# Altium PCB 09光敏.PcbDoc
Units mil, origin at the board's own origin, x right, y up, seen from the top; angles counter-clockwise.
Board outline 1525.44 x 549.18 mil, 2 copper layers (Top Layer, Bottom Layer); 9 components, 11 nets, 33 pads, 17 vias.
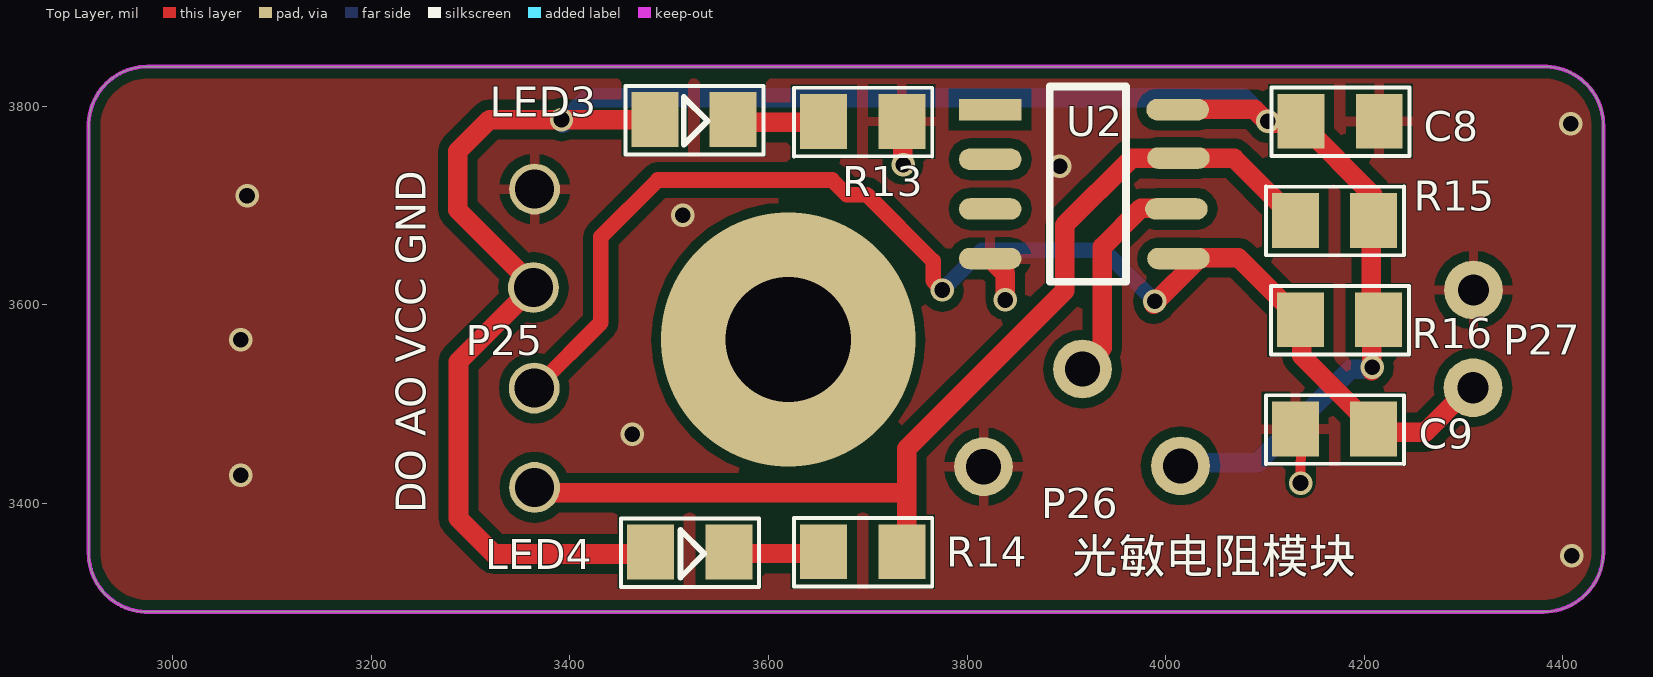
[diagram p0: Top Layer view]
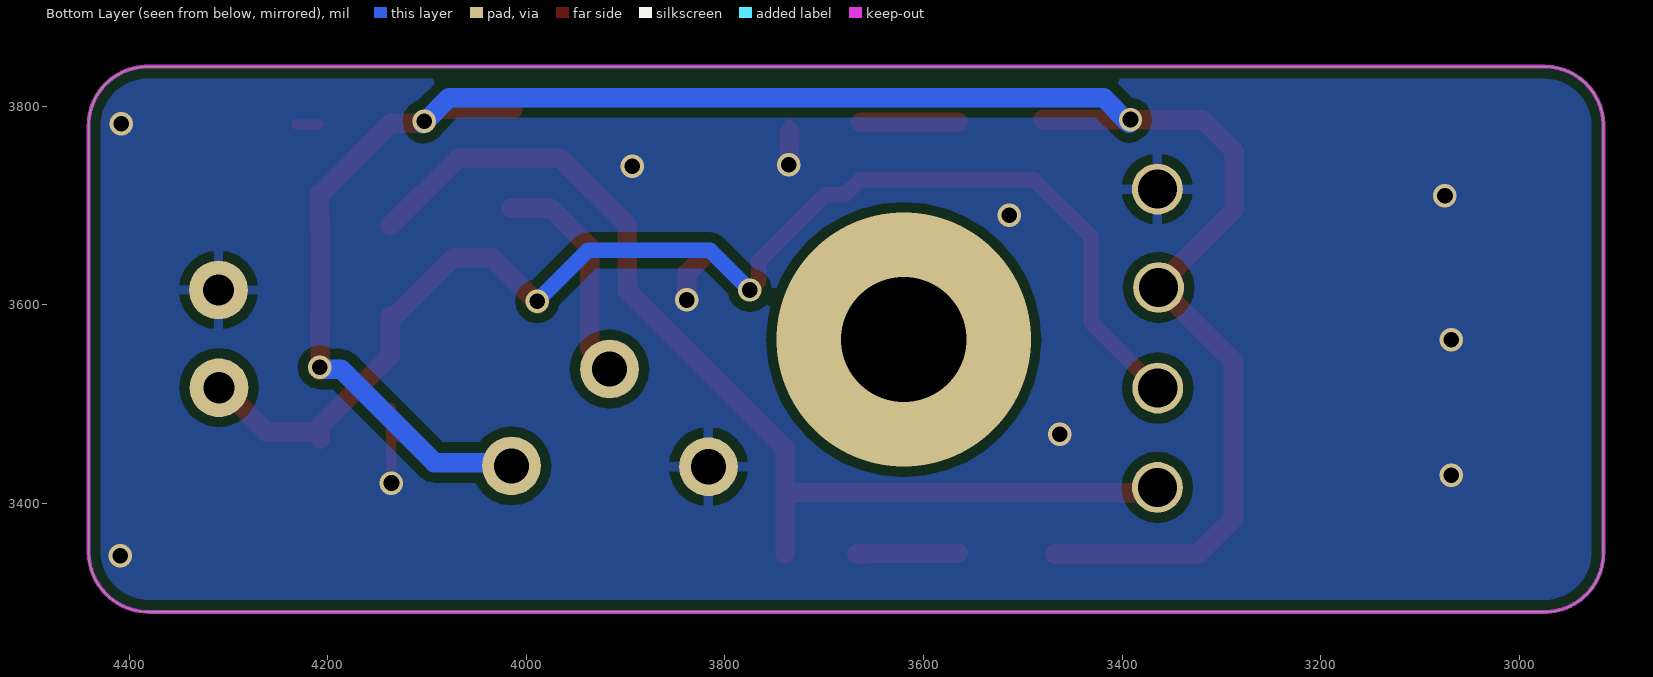
[diagram p1: Bottom Layer view, seen from below]
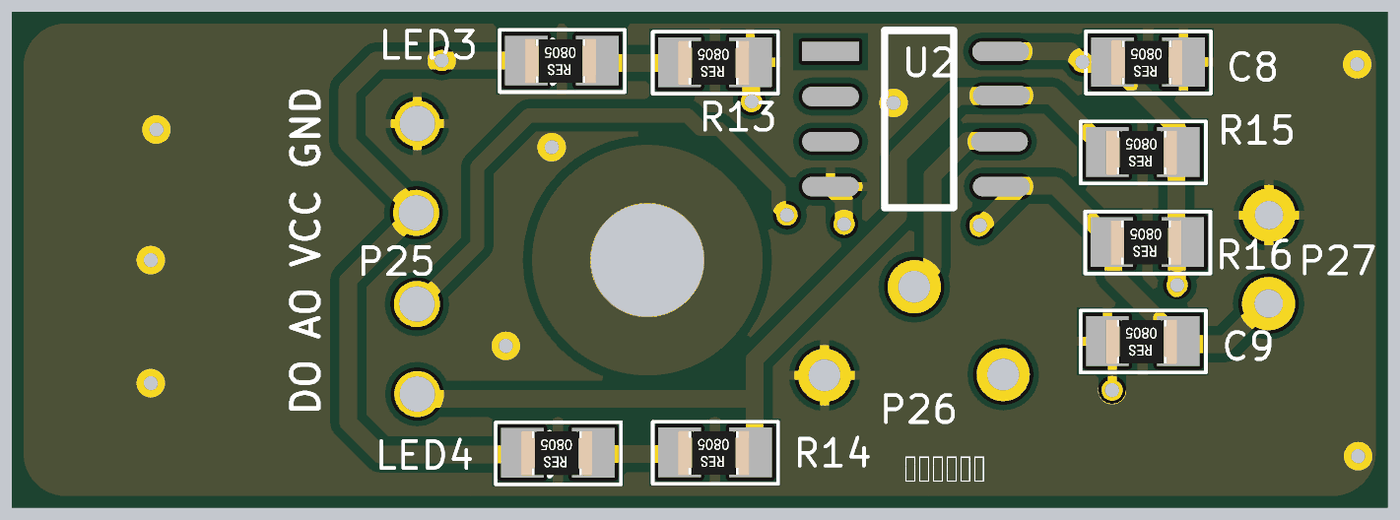
[diagram p2: 3D render of the assembled board from above, using the file's embedded part models]

## Layer stack, top to bottom
Top Solder: solder mask 0.4, Solder Resist, Dk 3.5
Top Layer: signal copper 1.4
Dielectric1: dielectric 12.6, FR-4, Dk 4.8
Bottom Layer: signal copper 1.4
Bottom Solder: solder mask 0.4, Solder Resist, Dk 3.5

## Board outline
2924.32,3318.84 2922.26,3322.43 2920.46,3326.15 2918.93,3329.99 2917.66,3333.93 2916.67,3337.94 2915.97,3342.02 2915.55,3346.14 2915.42,3350.27 2915.43,3349.87 2915.43,3780.89 2915.42,3780.91 2915.46,3782.99 2915.77,3787.11 2916.36,3791.21 2917.23,3795.25 2918.38,3799.22 2919.81,3803.1 2921.51,3806.88 2923.46,3810.52 2925.66,3814.02 2928.11,3817.36 2930.78,3820.52 2933.66,3823.49 2936.74,3826.24 2940.01,3828.78 2943.45,3831.08 2947.04,3833.14 2950.76,3834.94 2954.6,3836.47 2958.54,3837.74 2962.55,3838.73 2966.63,3839.43 2970.75,3839.85 2974.88,3839.98 2974.49,3839.99 4381.79,3839.99 4383.87,3839.95 4387.99,3839.64 4392.09,3839.05 4396.13,3838.18 4400.1,3837.03 4403.98,3835.6 4407.76,3833.9 4411.4,3831.95 4414.9,3829.75 4418.24,3827.3 4421.4,3824.63 4424.37,3821.75 4427.12,3818.67 4429.66,3815.4 4431.96,3811.96 4434.02,3808.37 4435.82,3804.65 4437.35,3800.81 4438.62,3796.87 4439.61,3792.86 4440.31,3788.78 4440.73,3784.66 4440.86,3780.53 4440.85,3780.84 4440.85,3351.44 4440.86,3352.22 4440.84,3350.1 4440.59,3345.86 4440.04,3341.65 4439.2,3337.49 4438.07,3333.4 4436.66,3329.4 4434.97,3325.51 4433.02,3321.74 4430.81,3318.12 4428.35,3314.66 4425.65,3311.38 4422.73,3308.3 4419.61,3305.43 4416.29,3302.78 4412.8,3300.37 4409.14,3298.21 4405.35,3296.31 4401.43,3294.69 4397.41,3293.33 4393.3,3292.27 4389.13,3291.49 4384.91,3291 4380.67,3290.81 2974.48,3290.81 2972.41,3290.85 2968.29,3291.16 2964.19,3291.74 2960.15,3292.62 2956.18,3293.77 2952.3,3295.2 2948.52,3296.9 2944.88,3298.85 2941.38,3301.05 2938.04,3303.5 2934.88,3306.16 2931.91,3309.05 2929.16,3312.13 2926.62,3315.4

## Design rules (kind name [scope] priority, off if disabled: settings)
Clearance [All] p1: gap=10 ignorepadtopadclearanceinfootprint=FALSE except(0: Arc-Hole Track-Hole SMDPad-Hole THPad-Hole Via-Hole Fill-Hole Poly-Hole Region-Hole Text-Hole)
PolygonConnect PolygonConnect_1 [isvia] p1: connectstyle=Direct reliefconductorwidth=10 reliefentries=4 polygonreliefangle="90 Angle" airgapwidth=10
PolygonConnect [All] p2: connectstyle=Relief reliefconductorwidth=10 reliefentries=4 polygonreliefangle="90 Angle" airgapwidth=10
RoutingVias [All] p1: holewidth=28 width=50 viastyle="Through Hole" minholewidth=28 minwidth=50 maxholewidth=28 maxwidth=50
SilkToSolderMaskClearance SilkscreenOverComponentPads [IsPad] p1: minsilkscreentomaskgap=10 clearancetoexposedcopper=TRUE
SolderMaskExpansion [All] p1: expansion=4
Width [All] p1: maxlimit=120 minlimit=10 preferedwidth=10
29 further rules are at their usual default settings.

## Components (designator, comment, footprint, x,y, rotation, side; value= is the part's Value field where it differs from the comment)
C8 "104 25V 10%" 0805-R 4175.75,3785 r180 top
C9 "104 25V 10%" 0805-R 4170,3475 r180 top
LED3 "贴片LED" 0805-R 3525,3786.64 r180 top
LED4 "贴片LED" 0805-R 3520.75,3351.08 r180 top
R13 "1K 5%" 0805-R 3695,3784.66 r180 top
R14 "1K 5%" 0805-R 3695,3351.44 r180 top
R15 "100R 5%" 0805-R 4170,3685 r180 top
R16 "10K 5%" 0805-R 4175,3585 r180 top
U2 "LM393" sop8 3918.13,3721.66 r0 top

## Footprints (in the part's own frame and the unit in brackets; to place one, negate y for a bottom-side part, rotate by r counter-clockwise, add the part's x,y. Pads: shape width x height; smd on the part's side, far side on the other; paste and mask are expansions set on the pad)
0805-R [mm]
  rect 1.2x1.4 smd: 1(-1,0) 2(1,0)
  silkscreen extent -1.78,-0.86 1.75,0.89, body extent -0.97,-0.61 1.03,0.64, height 0.55
sop8 [mil]
  rect 62.99x21.65 smd paste+0 mask+4: 1(-94.8,74.99)
  oval 62.99x21.65 smd paste+0 mask+4: 2(-94.8,24.99) 3(-94.8,-25.01) 4(-94.8,-75.01) 5(94.8,-75.01) 6(92.73,-25) 7(94.8,26.24) 8(93.98,75)
  silkscreen extent -35,-98 42,98

## Free pads (board coordinates)
  round 51.16 hole 39.37: 1(3363.36,3617.49) 1(3364.19,3516.24) 1(3364.6,3716.65) 1(3364.61,3416.24)
  round 59.06 hole 35.43: 1(3816.67,3437.06) 1(3916.25,3535.39) 1(4015,3437.89)
  round 59.06 hole 31.5: 1(4309.59,3516.64) 1(4310,3615)

## Via types
v1: diameter 23.62, hole 15.75, Top Layer to Bottom Layer, 16 vias
v2: diameter 255.91, hole 125.98, Top Layer to Bottom Layer, 1 vias

## Nets (pads, with @x,y where several pads share a name; then routed paths per layer and width w, separated by ;. In a path a pad name is that pad's centre, name@x,y a point inside that pad or via, vN(x,y) a via of type N, cw(c..) or ccw(c..) an arc to the next point about the centre after c; other vN are vias at no path point)
$Net2: C9.1 pad.1@3364.19,3516.24 pad.1@4309.59,3516.64 R16.2 U2.5 | length 1327.2
  Top Layer w15.75: pad.1@3367.1,3517.9 3431.25,3582.06 3431.25,3668.31 3488.75,3725.81 3664.19,3725.81 3679.17,3710.83 3699.17,3710.83 3765.83,3644.17 3765.83,3624.17 v1(3775,3615) ; C9.1@4208.75,3472.89 4209.11,3472.55 4209.5,3472.24 4209.91,3471.95 4210.33,3471.7 4210.77,3471.47 4211.23,3471.28 4211.7,3471.12 4212.18,3470.99 4212.67,3470.89 4213.16,3470.83 4213.66,3470.81 C9.1@4213.78,3470.81
  Top Layer w19.68: pad.1@3362.1,3517.9 pad.1@3367.1,3517.9 ; v1@3987.92,3600.81 4034.61,3647.5 4073.32,3647.5 R16.2@4137.09,3583.73 ; R16.2@4137.09,3588.31 R16.2@4137.09,3583.73 ; C9.1@4207.5,3464.56 4207.5,3478.31 4137.09,3548.73 R16.2@4137.09,3583.73 ; C9.1@4211.68,3471.65 4261.26,3471.65 4301.67,3512.06 pad.1@4309.59,3512.06
  Bottom Layer w15.75: v1(3775,3615) 3815,3655 3937.9,3655 v1(3989.17,3603.73)
$Net4: pad.1@3916.25,3535.39 U2.6 | length 229.3
  Top Layer w19.68: pad.1@3918.75,3531.64 3918.75,3539.14 3936.25,3556.64 3936.25,3658.31 3975.43,3697.49 U2.6@4015.41,3697.49
$Net5: pad.1@3364.61,3416.24 R14.1 R15.2 U2.7 | length 1066.3
  Top Layer w19.68: pad.1@3365,3410.81 3735.02,3410.81 ; R14.1@3739.17,3349.56 3739.17,3454.98 3898.35,3614.15 3898.35,3680.4 3965.43,3747.48 U2.7@4014.6,3747.48 ; U2.7@4009.81,3747.68 4068.96,3747.68 R15.2@4137.1,3679.55
$Net6: 
  other v2: 3620,3565
$Net7: LED3.1 R13.2 | length 98.3
  Top Layer w19.68: LED3.1@3565,3783.73 R13.2@3663.35,3783.73
$Net8: LED4.1 R14.2 | length 102.5
  Top Layer w19.68: LED4.1@3565,3349.97 3656.4,3349.6 R14.2@3667.5,3349.56
$Net9: U2.2
$Net10: U2.3
$Net11: U2.1
GND: C8.1 C9.2 pad.1@3364.6,3716.65 pad.1@3816.67,3437.06 pad.1@4310,3615 R13.1 U2.4 | length 211.1
  Top Layer w10: R13.1@3734.81,3775 R13.1@3735.42,3782.06 ; C9.2@4113.45,3467.05 C9.2@4136.45,3467.05 ; v1(4135.85,3420.61) C9.2@4136.45,3467.05 ; C9.2@4136.45,3496.74 C9.2@4136.45,3467.05 ; C8.1@4208.74,3781.63 C8.1@4231.74,3781.63
  Top Layer w19.68: R13.1@3734.81,3775 3735.42,3741.32 v1(3735.65,3741.09) ; U2.4 3838.35,3631.64 v1(3838.35,3604.99)
  other v1: 4408.96,3347.27 3068.76,3428.32 3462.92,3469.77 3068.76,3564.98 3513.75,3690.39 3075,3710 3893.35,3739.57 4407.92,3782.48
VCC: C8.2 LED3.2 LED4.2 pad.1@3363.36,3617.49 pad.1@4015,3437.89 R15.1 R16.1 U2.8 | length 2212.6
  Top Layer w19.68: pad.1@3359.18,3623.74 3287.1,3695.82 3287.1,3754.57 3319.18,3786.65 LED3.2@3480,3786.65 ; pad.1@3360.85,3617.48 3360.85,3615.82 3287.92,3542.89 3287.92,3385 3323.76,3349.15 LED4.2@3467.93,3349.15 ; U2.8@4013.54,3797.06 4089.19,3797.06 4102.09,3784.15 4103.35,3782.89 4136.27,3782.89 4137.62,3781.55 4208.35,3710.82 R15.1@4208.35,3678.74 ; R16.1@4207.09,3580.81 R15.1@4207.09,3679.98 ; v1@4207.5,3533.74 R16.1@4207.5,3585.39
  Bottom Layer w19.68: v1@3392.93,3782.9 3418.77,3808.74 4077.92,3808.74 4102.3,3784.36 v1@4104.18,3782.49 ; pad.1@4004.6,3441.24 4092.51,3441.24 4186.67,3535.39 v1@4207.5,3535.39
  other v1: 4208.13,3537.27 4102.92,3784.98 3391.67,3786.64

## Polygon pours and split planes (outlines as drawn)
GND on Bottom Layer "Top Layer-No Net1" (solid, pour order 1007): 2924.32,3318.84 2922.26,3322.43 2920.46,3326.15 2918.93,3329.99 2917.66,3333.93 2916.67,3337.94 2915.97,3342.02 2915.55,3346.14 2915.42,3350.27 2915.43,3349.87 2915.43,3780.89 2915.42,3780.91 2915.46,3782.99 2915.77,3787.11 2916.36,3791.21 2917.23,3795.25 2918.38,3799.22 2919.81,3803.1 2921.51,3806.88 2923.46,3810.52 2925.66,3814.02 2928.11,3817.36 2930.78,3820.52 2933.66,3823.49 2936.74,3826.24 2940.01,3828.78 2943.45,3831.08 2947.04,3833.14 2950.76,3834.94 2954.6,3836.47 2958.54,3837.74 2962.55,3838.73 2966.63,3839.43 2970.75,3839.85 2974.88,3839.98 2974.49,3839.99 4381.79,3839.99 4383.87,3839.95 4387.99,3839.64 4392.09,3839.05 4396.13,3838.18 4400.1,3837.03 4403.98,3835.6 4407.76,3833.9 4411.4,3831.95 4414.9,3829.75 4418.24,3827.3 4421.4,3824.63 4424.37,3821.75 4427.12,3818.67 4429.66,3815.4 4431.96,3811.96 4434.02,3808.37 4435.82,3804.65 4437.35,3800.81 4438.62,3796.87 4439.61,3792.86 4440.31,3788.78 4440.73,3784.66 4440.86,3780.53 4440.85,3780.84 4440.85,3351.44 4440.86,3352.22 4440.84,3350.1 4440.59,3345.86 4440.04,3341.65 4439.2,3337.49 4438.07,3333.4 4436.66,3329.4 4434.97,3325.51 4433.02,3321.74 4430.81,3318.12 4428.35,3314.66 4425.65,3311.38 4422.73,3308.3 4419.61,3305.43 4416.29,3302.78 4412.8,3300.37 4409.14,3298.21 4405.35,3296.31 4401.43,3294.69 4397.41,3293.33 4393.3,3292.27 4389.13,3291.49 4384.91,3291 4380.67,3290.81 2974.48,3290.81 2972.41,3290.85 2968.29,3291.16 2964.19,3291.74 2960.15,3292.62 2956.18,3293.77 2952.3,3295.2 2948.52,3296.9 2944.88,3298.85 2941.38,3301.05 2938.04,3303.5 2934.88,3306.16 2931.91,3309.05 2929.16,3312.13 2926.62,3315.4
GND on Top Layer "Top Layer-No Net" (solid, pour order 1006): 2924.32,3318.84 2922.26,3322.43 2920.46,3326.15 2918.93,3329.99 2917.66,3333.93 2916.67,3337.94 2915.97,3342.02 2915.55,3346.14 2915.42,3350.27 2915.43,3349.87 2915.43,3780.89 2915.42,3780.91 2915.46,3782.99 2915.77,3787.11 2916.36,3791.21 2917.23,3795.25 2918.38,3799.22 2919.81,3803.1 2921.51,3806.88 2923.46,3810.52 2925.66,3814.02 2928.11,3817.36 2930.78,3820.52 2933.66,3823.49 2936.74,3826.24 2940.01,3828.78 2943.45,3831.08 2947.04,3833.14 2950.76,3834.94 2954.6,3836.47 2958.54,3837.74 2962.55,3838.73 2966.63,3839.43 2970.75,3839.85 2974.88,3839.98 2974.49,3839.99 4381.79,3839.99 4383.87,3839.95 4387.99,3839.64 4392.09,3839.05 4396.13,3838.18 4400.1,3837.03 4403.98,3835.6 4407.76,3833.9 4411.4,3831.95 4414.9,3829.75 4418.24,3827.3 4421.4,3824.63 4424.37,3821.75 4427.12,3818.67 4429.66,3815.4 4431.96,3811.96 4434.02,3808.37 4435.82,3804.65 4437.35,3800.81 4438.62,3796.87 4439.61,3792.86 4440.31,3788.78 4440.73,3784.66 4440.86,3780.53 4440.85,3780.84 4440.85,3351.44 4440.86,3352.22 4440.84,3350.1 4440.59,3345.86 4440.04,3341.65 4439.2,3337.49 4438.07,3333.4 4436.66,3329.4 4434.97,3325.51 4433.02,3321.74 4430.81,3318.12 4428.35,3314.66 4425.65,3311.38 4422.73,3308.3 4419.61,3305.43 4416.29,3302.78 4412.8,3300.37 4409.14,3298.21 4405.35,3296.31 4401.43,3294.69 4397.41,3293.33 4393.3,3292.27 4389.13,3291.49 4384.91,3291 4380.67,3290.81 2974.48,3290.81 2972.41,3290.85 2968.29,3291.16 2964.19,3291.74 2960.15,3292.62 2956.18,3293.77 2952.3,3295.2 2948.52,3296.9 2944.88,3298.85 2941.38,3301.05 2938.04,3303.5 2934.88,3306.16 2931.91,3309.05 2929.16,3312.13 2926.62,3315.4

## Keep-outs
Keep-Out Layer:
  lines w3.94: 2915.42,3350.27 2915.55,3346.14 2915.97,3342.02 2916.67,3337.94 2917.66,3333.93 2918.93,3329.99 2920.46,3326.15 2922.26,3322.43 2924.32,3318.84 2926.62,3315.4 2929.16,3312.13 2931.91,3309.05 2934.88,3306.16 2938.04,3303.5 2941.38,3301.05 2944.88,3298.85 2948.52,3296.9 2952.3,3295.2 2956.18,3293.77 2960.15,3292.62 2964.19,3291.74 2968.29,3291.16 2972.41,3290.85 2974.48,3290.81 4380.67,3290.81 4384.91,3291 4389.13,3291.49 4393.3,3292.27 4397.41,3293.33 4401.43,3294.69 4405.35,3296.31 4409.14,3298.21 4412.8,3300.37 4416.29,3302.78 4419.61,3305.43 4422.73,3308.3 4425.65,3311.38 4428.35,3314.66 4430.81,3318.12 4433.02,3321.74 4434.97,3325.51 4436.66,3329.4 4438.07,3333.4 4439.2,3337.49 4440.04,3341.65 4440.59,3345.86 4440.84,3350.1 4440.86,3352.22 ; 2915.42,3780.91 2915.46,3782.99 2915.77,3787.11 2916.36,3791.21 2917.23,3795.25 2918.38,3799.22 2919.81,3803.1 2921.51,3806.88 2923.46,3810.52 2925.66,3814.02 2928.11,3817.36 2930.78,3820.52 2933.66,3823.49 2936.74,3826.24 2940.01,3828.78 2943.45,3831.08 2947.04,3833.14 2950.76,3834.94 2954.6,3836.47 2958.54,3837.74 2962.55,3838.73 2966.63,3839.43 2970.75,3839.85 2974.88,3839.98 ; 2915.43,3349.87 2915.43,3780.89 ; 2974.49,3839.99 4381.79,3839.99 4383.87,3839.95 4387.99,3839.64 4392.09,3839.05 4396.13,3838.18 4400.1,3837.03 4403.98,3835.6 4407.76,3833.9 4411.4,3831.95 4414.9,3829.75 4418.24,3827.3 4421.4,3824.63 4424.37,3821.75 4427.12,3818.67 4429.66,3815.4 4431.96,3811.96 4434.02,3808.37 4435.82,3804.65 4437.35,3800.81 4438.62,3796.87 4439.61,3792.86 4440.31,3788.78 4440.73,3784.66 4440.86,3780.53 ; 4440.85,3351.44 4440.85,3780.84

## Silkscreen, mask and mechanical layers (free items; w line width, h text height)
Top Overlay:
  lines w5.91: 3535,3349.07 3511.45,3325.53 3511.45,3373.34 3535.31,3349.48 ; 3538.34,3784.91 3514.8,3761.37 3514.8,3809.18 3538.65,3785.33
  lines w7.87: 3883.34,3820.08 3883.34,3623.23 3960,3623.23 3960,3820.08
  lines w8: 3883.34,3820.08 3957.1,3820.08 ; 3946.68,3820.08 3960,3820.08
  text "P27" at 4340,3550 h30
  text "P25" at 3295,3549.19 h30
  text "DO AO VCC GND" at 3255,3389.96 h30 r90
  text "P26" at 3875,3385 h30
  text "光敏电阻模块" at 3905,3318.84 h60